# KiCad board redherring.kicad_pcb
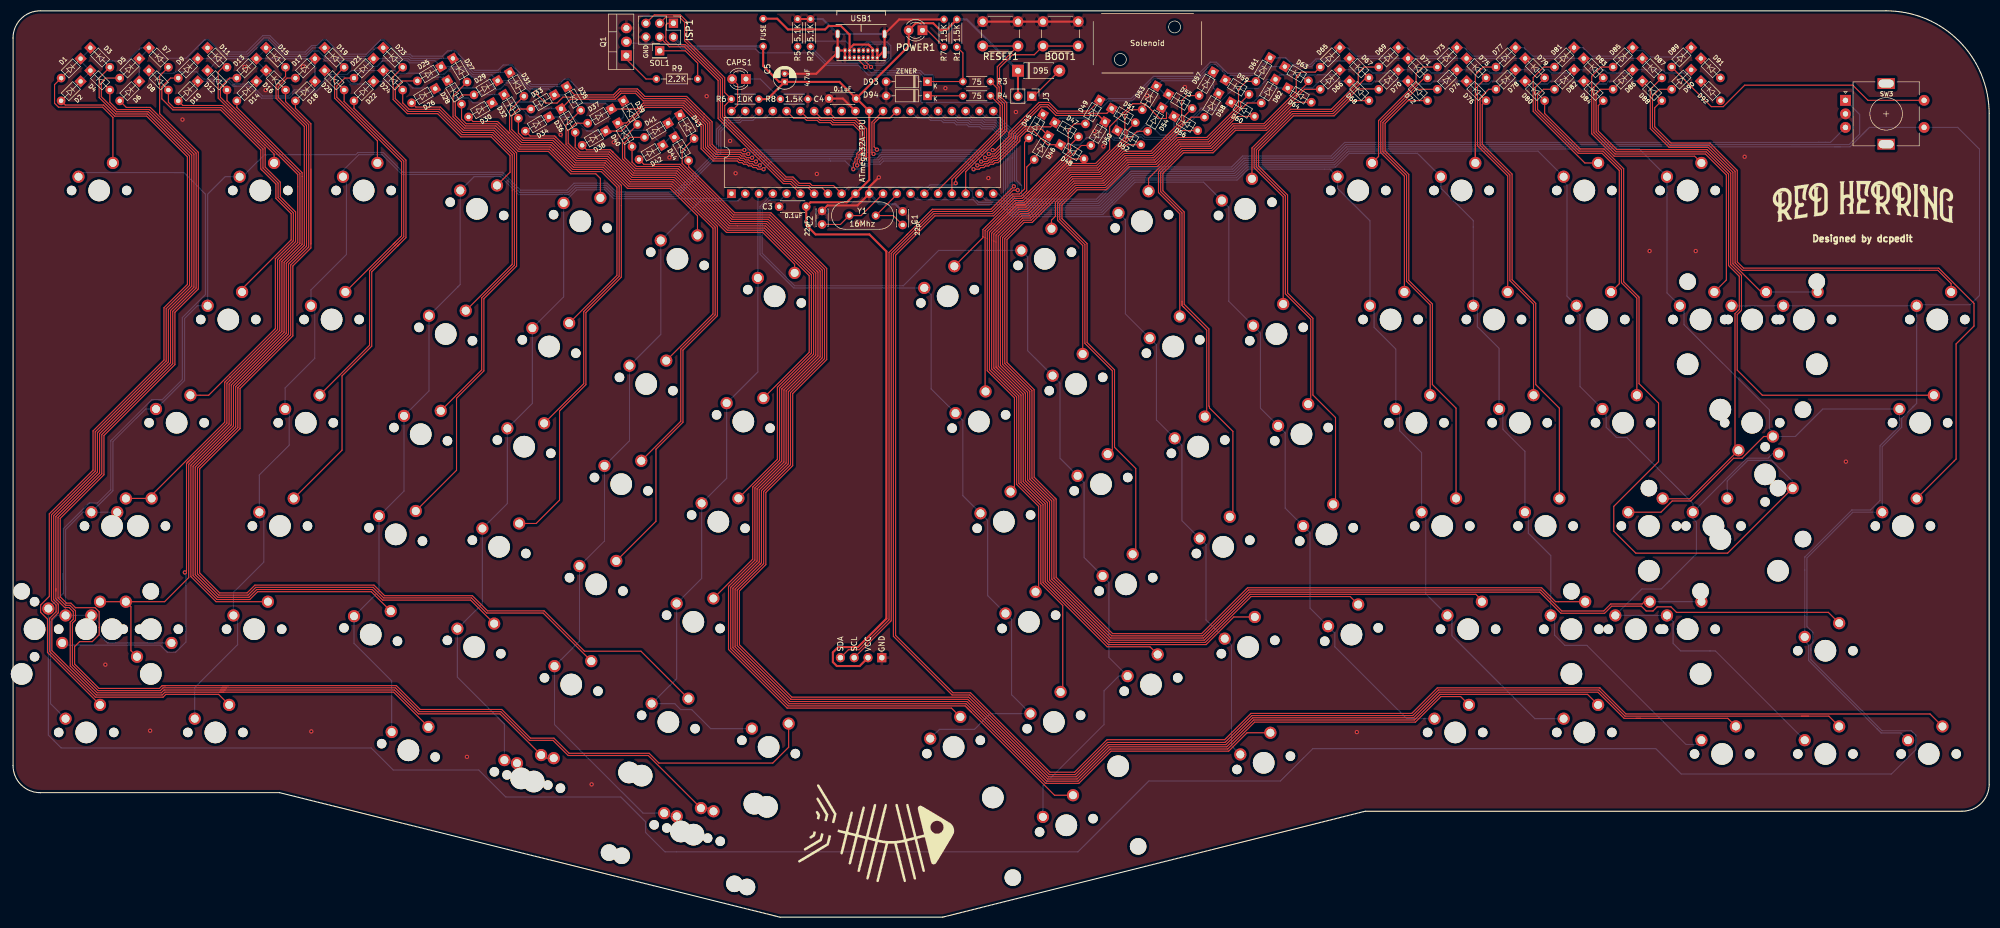
[diagram p0: board, top side]
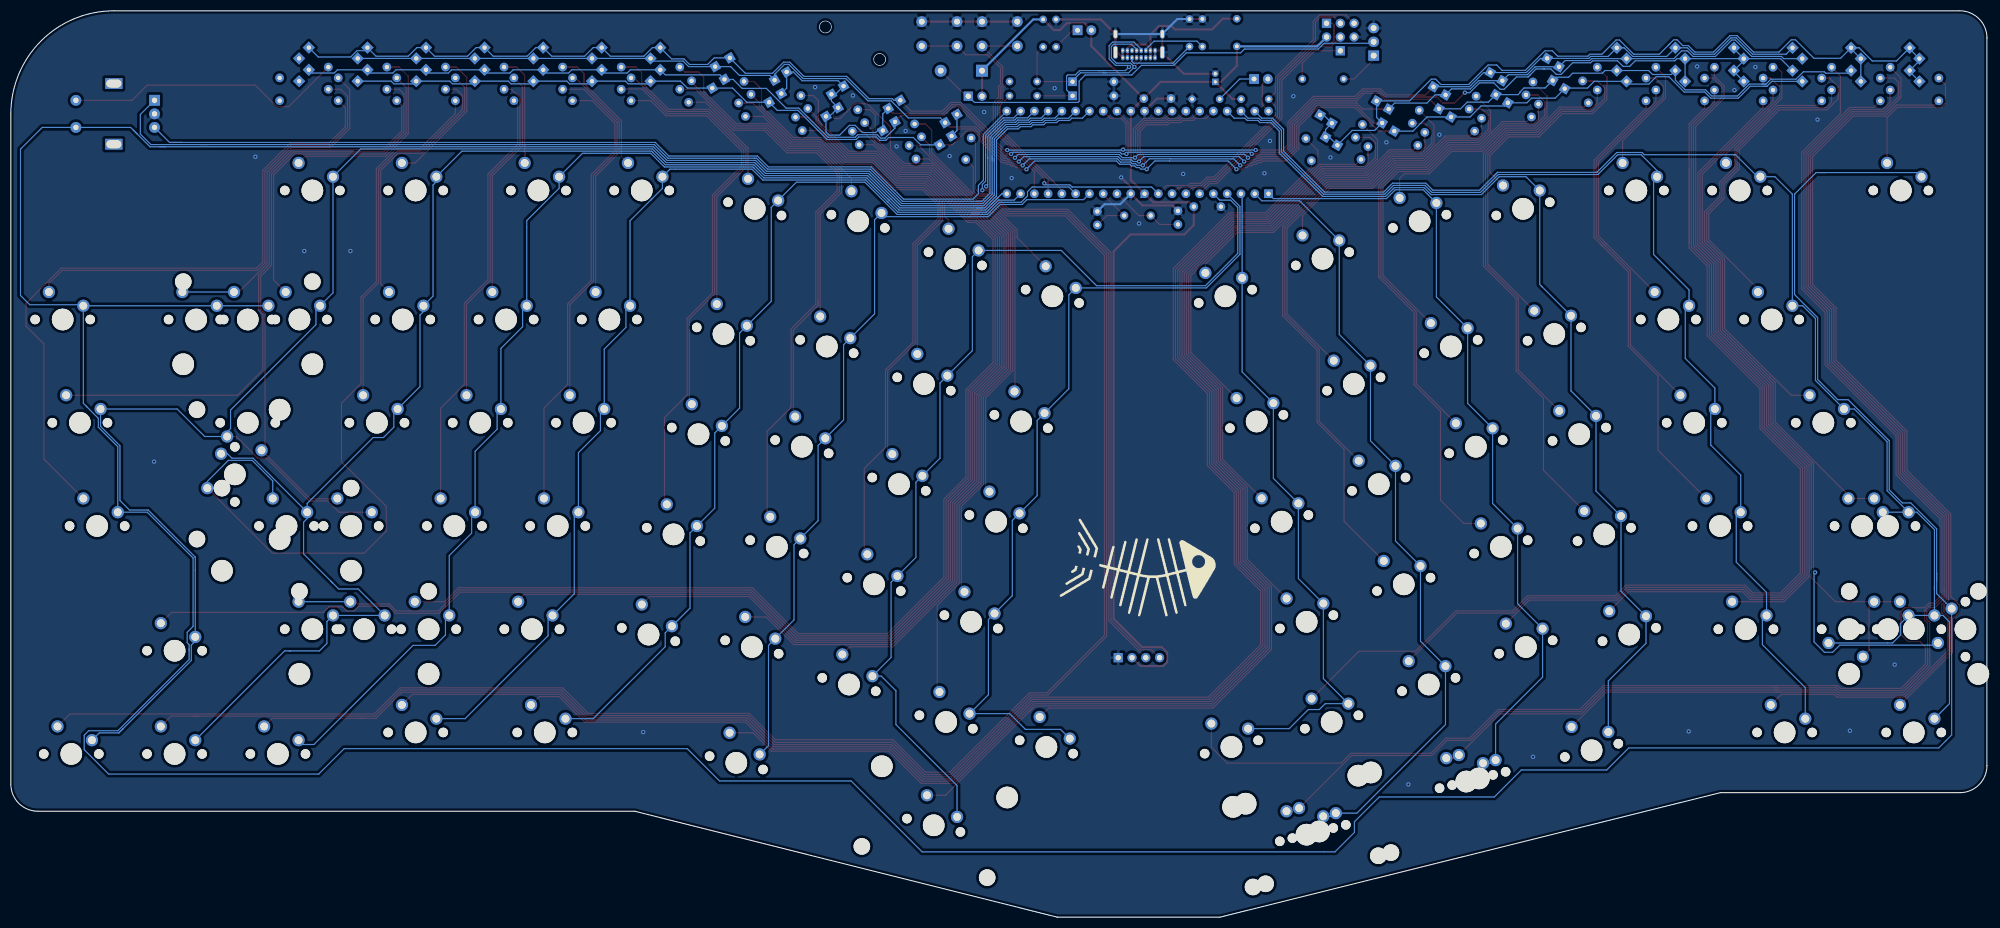
[diagram p1: board, bottom side, seen from below]

Outline 364.36 x 167.25 mm; copper layers: Top, Bottom. Coordinates in mm from the lower left corner of the outline.
Outline path: 0,162.25 0,27.98 arc(1.46,24.44) 5,22.98 49.15,22.98 141.4,0 171.4,0 249.3,19.55 359.36,19.55 arc(362.9,21.01) 364.36,24.55 364.36,148.25 arc(358.8,161.69) 345.36,167.25 5,167.25 arc(1.46,165.79) 0,162.25

## Placement (name value [footprint] x y rotation side)
BOOT1  SW_Push  [SW_PUSH_6mm]  189.9 165.25 0 top
C1  22pF  [C_Disc_D3.0mm_W2.0mm_P2.50mm]  164.03 130.23 270 top
C2  22pF  [C_Disc_D3.0mm_W2.0mm_P2.50mm]  149.17 130.33 270 top
C3  0.1uF  [C_Disc_D4.3mm_W1.9mm_P5.00mm]  146.25 131.12 180 top
C4  0.1uF  [C_Disc_D4.3mm_W1.9mm_P5.00mm]  155.46 151.06 180 top
C5  4.7uF  [CP_Radial_D4.0mm_P1.50mm]  142.28 154.14 90 top
CAPS1  LED  [LED_D3.0mm_Clear]  135.13 154.67 180 top
D1  D_Small  [D_DO-35_SOD27_P5.08mm_Horizontal]  13.35 159.33 225 top
D2  D_Small  [D_DO-35_SOD27_P5.08mm_Horizontal]  13.35 155.13 225 top
D3  D_Small  [D_DO-35_SOD27_P5.08mm_Horizontal]  13.35 161.33 315 top
D4  D_Small  [D_DO-35_SOD27_P5.08mm_Horizontal]  13.35 157.13 315 top
D5  D_Small  [D_DO-35_SOD27_P5.08mm_Horizontal]  24.15 159.33 225 top
D6  D_Small  [D_DO-35_SOD27_P5.08mm_Horizontal]  24.15 155.13 225 top
D7  D_Small  [D_DO-35_SOD27_P5.08mm_Horizontal]  24.15 161.33 315 top
D8  D_Small  [D_DO-35_SOD27_P5.08mm_Horizontal]  24.15 157.13 315 top
D9  D_Small  [D_DO-35_SOD27_P5.08mm_Horizontal]  34.95 159.33 225 top
D10  D_Small  [D_DO-35_SOD27_P5.08mm_Horizontal]  34.95 155.13 225 top
D11  D_Small  [D_DO-35_SOD27_P5.08mm_Horizontal]  34.95 161.33 315 top
D12  D_Small  [D_DO-35_SOD27_P5.08mm_Horizontal]  34.95 157.13 315 top
D13  D_Small  [D_DO-35_SOD27_P5.08mm_Horizontal]  45.75 159.33 225 top
D14  D_Small  [D_DO-35_SOD27_P5.08mm_Horizontal]  45.75 155.13 225 top
D15  D_Small  [D_DO-35_SOD27_P5.08mm_Horizontal]  45.75 161.33 315 top
D16  D_Small  [D_DO-35_SOD27_P5.08mm_Horizontal]  45.75 157.13 315 top
D17  D_Small  [D_DO-35_SOD27_P5.08mm_Horizontal]  56.55 159.33 225 top
D18  D_Small  [D_DO-35_SOD27_P5.08mm_Horizontal]  56.55 155.13 225 top
D19  D_Small  [D_DO-35_SOD27_P5.08mm_Horizontal]  56.55 161.33 315 top
D20  D_Small  [D_DO-35_SOD27_P5.08mm_Horizontal]  56.55 157.13 315 top
D21  D_Small  [D_DO-35_SOD27_P5.08mm_Horizontal]  67.35 159.33 225 top
D22  D_Small  [D_DO-35_SOD27_P5.08mm_Horizontal]  67.35 155.13 225 top
D23  D_Small  [D_DO-35_SOD27_P5.08mm_Horizontal]  67.35 161.33 315 top
D24  D_Small  [D_DO-35_SOD27_P5.08mm_Horizontal]  67.35 157.13 315 top
D25  D_Small  [D_DO-35_SOD27_P5.08mm_Horizontal]  79.99 157.58 211 top
D26  D_Small  [D_DO-35_SOD27_P5.08mm_Horizontal]  78.94 153.55 211 top
D27  D_Small  [D_DO-35_SOD27_P5.08mm_Horizontal]  80.44 159.56 301 top
D28  D_Small  [D_DO-35_SOD27_P5.08mm_Horizontal]  79.43 155.49 301 top
D29  D_Small  [D_DO-35_SOD27_P5.08mm_Horizontal]  90.44 155.01 211 top
D30  D_Small  [D_DO-35_SOD27_P5.08mm_Horizontal]  89.42 150.93 211 top
D31  D_Small  [D_DO-35_SOD27_P5.08mm_Horizontal]  90.92 156.95 301 top
D32  D_Small  [D_DO-35_SOD27_P5.08mm_Horizontal]  89.9 152.88 301 top
D33  D_Small  [D_DO-35_SOD27_P5.08mm_Horizontal]  100.92 152.4 211 top
D34  D_Small  [D_DO-35_SOD27_P5.08mm_Horizontal]  99.9 148.32 211 top
D35  D_Small  [D_DO-35_SOD27_P5.08mm_Horizontal]  101.4 154.34 301 top
D36  D_Small  [D_DO-35_SOD27_P5.08mm_Horizontal]  100.38 150.26 301 top
D37  D_Small  [D_DO-35_SOD27_P5.08mm_Horizontal]  111.39 149.78 211 top
D38  D_Small  [D_DO-35_SOD27_P5.08mm_Horizontal]  110.38 145.71 211 top
D39  D_Small  [D_DO-35_SOD27_P5.08mm_Horizontal]  111.88 151.73 301 top
D40  D_Small  [D_DO-35_SOD27_P5.08mm_Horizontal]  110.86 147.65 301 top
D41  D_Small  [D_DO-35_SOD27_P5.08mm_Horizontal]  121.87 147.17 211 top
D42  D_Small  [D_DO-35_SOD27_P5.08mm_Horizontal]  120.86 143.1 211 top
D43  D_Small  [D_DO-35_SOD27_P5.08mm_Horizontal]  122.31 149.12 301 top
D44  D_Small  [D_DO-35_SOD27_P5.08mm_Horizontal]  121.29 145.05 301 top
D45  D_Small  [D_DO-35_SOD27_P5.08mm_Horizontal]  190.57 149.23 239 top
D46  D_Small  [D_DO-35_SOD27_P5.08mm_Horizontal]  191.57 145.25 239 top
D47  D_Small  [D_DO-35_SOD27_P5.08mm_Horizontal]  191.01 147.28 329 top
D48  D_Small  [D_DO-35_SOD27_P5.08mm_Horizontal]  192.02 143.2 329 top
D49  D_Small  [D_DO-35_SOD27_P5.08mm_Horizontal]  201 151.83 239 top
D50  D_Small  [D_DO-35_SOD27_P5.08mm_Horizontal]  202 147.85 239 top
D51  D_Small  [D_DO-35_SOD27_P5.08mm_Horizontal]  201.49 149.89 329 top
D52  D_Small  [D_DO-35_SOD27_P5.08mm_Horizontal]  202.5 145.81 329 top
D53  D_Small  [D_DO-35_SOD27_P5.08mm_Horizontal]  211.48 154.44 239 top
D54  D_Small  [D_DO-35_SOD27_P5.08mm_Horizontal]  212.48 150.46 239 top
D55  D_Small  [D_DO-35_SOD27_P5.08mm_Horizontal]  211.97 152.5 329 top
D56  D_Small  [D_DO-35_SOD27_P5.08mm_Horizontal]  212.98 148.43 329 top
D57  D_Small  [D_DO-35_SOD27_P5.08mm_Horizontal]  221.96 157.06 239 top
D58  D_Small  [D_DO-35_SOD27_P5.08mm_Horizontal]  222.95 153.08 239 top
D59  D_Small  [D_DO-35_SOD27_P5.08mm_Horizontal]  222.45 155.11 329 top
D60  D_Small  [D_DO-35_SOD27_P5.08mm_Horizontal]  223.46 151.04 329 top
D61  D_Small  [D_DO-35_SOD27_P5.08mm_Horizontal]  232.44 159.67 239 top
D62  D_Small  [D_DO-35_SOD27_P5.08mm_Horizontal]  233.43 155.69 239 top
D63  D_Small  [D_DO-35_SOD27_P5.08mm_Horizontal]  233.4 157.61 329 top
D64  D_Small  [D_DO-35_SOD27_P5.08mm_Horizontal]  233.94 153.65 329 top
D65  D_Small  [D_DO-35_SOD27_P5.08mm_Horizontal]  245.51 161.37 225 top
D66  D_Small  [D_DO-35_SOD27_P5.08mm_Horizontal]  245.51 157.27 225 top
D67  D_Small  [D_DO-35_SOD27_P5.08mm_Horizontal]  245.51 159.37 315 top
D68  D_Small  [D_DO-35_SOD27_P5.08mm_Horizontal]  245.51 155.17 315 top
D69  D_Small  [D_DO-35_SOD27_P5.08mm_Horizontal]  256.31 161.37 225 top
D70  D_Small  [D_DO-35_SOD27_P5.08mm_Horizontal]  256.31 157.27 225 top
D71  D_Small  [D_DO-35_SOD27_P5.08mm_Horizontal]  256.31 159.37 315 top
D72  D_Small  [D_DO-35_SOD27_P5.08mm_Horizontal]  256.31 155.17 315 top
D73  D_Small  [D_DO-35_SOD27_P5.08mm_Horizontal]  267.11 161.37 225 top
D74  D_Small  [D_DO-35_SOD27_P5.08mm_Horizontal]  267.11 157.27 225 top
D75  D_Small  [D_DO-35_SOD27_P5.08mm_Horizontal]  267.11 159.37 315 top
D76  D_Small  [D_DO-35_SOD27_P5.08mm_Horizontal]  267.11 155.17 315 top
D77  D_Small  [D_DO-35_SOD27_P5.08mm_Horizontal]  277.91 161.37 225 top
D78  D_Small  [D_DO-35_SOD27_P5.08mm_Horizontal]  277.91 157.27 225 top
D79  D_Small  [D_DO-35_SOD27_P5.08mm_Horizontal]  277.91 159.37 315 top
D80  D_Small  [D_DO-35_SOD27_P5.08mm_Horizontal]  277.91 155.17 315 top
D81  D_Small  [D_DO-35_SOD27_P5.08mm_Horizontal]  288.71 161.37 225 top
D82  D_Small  [D_DO-35_SOD27_P5.08mm_Horizontal]  288.71 157.27 225 top
D83  D_Small  [D_DO-35_SOD27_P5.08mm_Horizontal]  288.71 159.37 315 top
D84  D_Small  [D_DO-35_SOD27_P5.08mm_Horizontal]  288.71 155.17 315 top
D85  D_Small  [D_DO-35_SOD27_P5.08mm_Horizontal]  299.51 161.37 225 top
D86  D_Small  [D_DO-35_SOD27_P5.08mm_Horizontal]  299.51 157.27 225 top
D87  D_Small  [D_DO-35_SOD27_P5.08mm_Horizontal]  299.51 159.37 315 top
D88  D_Small  [D_DO-35_SOD27_P5.08mm_Horizontal]  299.51 155.17 315 top
D89  D_Small  [D_DO-35_SOD27_P5.08mm_Horizontal]  310.31 161.37 225 top
D90  D_Small  [D_DO-35_SOD27_P5.08mm_Horizontal]  310.31 157.27 225 top
D91  D_Small  [D_DO-35_SOD27_P5.08mm_Horizontal]  310.31 159.37 315 top
D92  D_Small  [D_DO-35_SOD27_P5.08mm_Horizontal]  310.31 155.17 315 top
D93  3.6V  [D_DO-35_SOD27_P7.62mm_Horizontal]  168.6 154.17 180 top
D94  3.6V  [D_DO-35_SOD27_P7.62mm_Horizontal]  168.6 151.57 180 top
D95  1N4001  [D_DO-41_SOD81_P7.62mm_Horizontal]  185.29 156.2 0 top
F1  500mA  [polyfuse_5.1mm]  138.31 163.24 90 top
G***  LOGO  [text_border]  341 131.81 0 top
G***#2  LOGO  [logo]  159.13 15.48 0 top
G***#3  LOGO  [red_herring_text]  341.09 132.01 0 top
G***#4  LOGO  [logo]  156.59 64.5 180 bottom
ISP1  AVR-ISP-6  [PinHeader_2x03_P2.54mm_Vertical]  121.77 164.96 270 top
J2  OLED  [SSD1306_OLED]  156.37 65.64 90 top
J3  Conn_01x02_Female  [PinHeader_1x02_P2.54mm_Vertical]  187.83 151.5 270 top
MX101  MX-NoLED  [MXOnly-1U-NoLED]  45.59 134.1 0 top
MX102  MX-NoLED  [MXOnly-1U-NoLED]  64.64 134.1 0 top
MX103  MX-NoLED  [MXOnly-1U-NoLED]  85.54 130.71 346 top
MX104  MX-NoLED  [MXOnly-1U-NoLED]  104.6 128.41 346 top
MX105  MX-NoLED  [MXOnly-1U-NoLED]  122.51 121.49 346 top
MX106  MX-NoLED  [MXOnly-1U-NoLED]  140.42 114.57 346 top
MX107  MX-NoLED  [MXOnly-1U-NoLED]  172.32 114.57 14 top
MX108  MX-NoLED  [MXOnly-1U-NoLED]  190.23 121.49 14 top
MX109  MX-NoLED  [MXOnly-1U-NoLED]  208.14 128.41 14 top
MX110  MX-NoLED  [MXOnly-1U-NoLED]  227.2 130.71 14 top
MX111  MX-NoLED  [MXOnly-1U-NoLED]  248.03 134.1 0 top
MX112  MX-NoLED  [MXOnly-1U-NoLED]  267.08 134.1 0 top
MX113  MX-NoLED  [MXOnly-1U-NoLED]  289.72 134.1 0 top
MX114  MX-NoLED  [MXOnly-1U-NoLED]  308.77 134.1 0 top
MX201  MX-NoLED  [MXOnly-1U-NoLED]  39.69 110.29 0 top
MX202  MX-NoLED  [MXOnly-1U-NoLED]  58.74 110.29 0 top
MX203  MX-NoLED  [MXOnly-1U-NoLED]  79.78 107.6 346 top
MX204  MX-NoLED  [MXOnly-1U-NoLED]  98.84 105.31 346 top
MX205  MX-NoLED  [MXOnly-1U-NoLED]  116.75 98.39 346 top
MX206  MX-NoLED  [MXOnly-1U-NoLED]  134.65 91.47 346 top
MX207  MX-NoLED  [MXOnly-1U-NoLED]  178.08 91.47 14 top
MX208  MX-NoLED  [MXOnly-1U-NoLED]  195.99 98.39 14 top
MX209  MX-NoLED  [MXOnly-1U-NoLED]  213.9 105.31 14 top
MX210  MX-NoLED  [MXOnly-1U-NoLED]  232.96 107.6 14 top
MX211  MX-NoLED  [MXOnly-1U-NoLED]  254 110.29 0 top
MX212  MX-NoLED  [MXOnly-1U-NoLED]  273.05 110.29 0 top
MX213  MX-NoLED  [MXOnly-1U-NoLED]  292.1 110.29 0 top
MX214  MX-NoLED  [MXOnly-1U-NoLED]  311.15 110.29 0 top
MX215  MX-NoLED  [MXOnly-1U-NoLED]  330.2 110.29 0 top
MX215.2  MX-NoLED  [MXOnly-2U-NoLED]  320.67 110.29 0 top
MX301  MX-NoLED  [MXOnly-1.5U-NoLED]  30.16 91.24 0 top
MX302  MX-NoLED  [MXOnly-1U-NoLED]  53.98 91.24 0 top
MX303  MX-NoLED  [MXOnly-1U-NoLED]  75.17 89.12 346 top
MX304  MX-NoLED  [MXOnly-1U-NoLED]  94.23 86.82 346 top
MX305  MX-NoLED  [MXOnly-1U-NoLED]  112.14 79.9 346 top
MX306  MX-NoLED  [MXOnly-1U-NoLED]  130.05 72.98 346 top
MX307  MX-NoLED  [MXOnly-1U-NoLED]  182.69 72.98 14 top
MX308  MX-NoLED  [MXOnly-1U-NoLED]  200.6 79.9 14 top
MX309  MX-NoLED  [MXOnly-1U-NoLED]  218.51 86.82 14 top
MX310  MX-NoLED  [MXOnly-1U-NoLED]  237.57 89.12 14 top
MX311  MX-NoLED  [MXOnly-1U-NoLED]  258.76 91.24 0 top
MX312  MX-NoLED  [MXOnly-1U-NoLED]  277.81 91.24 0 top
MX313  MX-NoLED  [MXOnly-1U-NoLED]  296.86 91.24 0 top
MX314  MX-NoLED  [MXOnly-1U-NoLED]  301.62 72.19 0 top
MX314.150  MX-NoLED  [MXOnly-1.5U-NoLED]  320.67 91.24 180 top
MX315  MX-NoLED  [MXOnly-1U-NoLED]  354.81 110.29 0 top
MX401  MX-NoLED  [MXOnly-1.75U-NoLED]  23.02 72.19 0 top
MX401.125  MX-NoLED  [MXOnly-1.25U-NoLED]  18.26 72.19 0 top
MX402  MX-NoLED  [MXOnly-1U-NoLED]  49.21 72.19 0 top
MX403  MX-NoLED  [MXOnly-1U-NoLED]  70.56 70.64 346 top
MX404  MX-NoLED  [MXOnly-1U-NoLED]  89.62 68.34 346 top
MX405  MX-NoLED  [MXOnly-1U-NoLED]  107.53 61.42 346 top
MX406  MX-NoLED  [MXOnly-1U-NoLED]  125.44 54.5 346 top
MX407  MX-NoLED  [MXOnly-1U-NoLED]  187.3 54.5 14 top
MX408  MX-NoLED  [MXOnly-1U-NoLED]  205.21 61.42 14 top
MX409  MX-NoLED  [MXOnly-1U-NoLED]  223.12 68.34 14 top
MX410  MX-NoLED  [MXOnly-1U-NoLED]  242.18 70.64 14 top
MX411  MX-NoLED  [MXOnly-1U-NoLED]  263.52 72.19 0 top
MX412  MX-NoLED  [MXOnly-1U-NoLED]  282.57 72.19 0 top
MX413  MX-NoLED  [MXOnly-ISO-ROTATED-ReversedStabilizers-NoLED]  323.06 81.71 0 top
MX413.225  MX-NoLED  [MXOnly-2.25U-NoLED]  313.53 72.19 0 top
MX414  MX-NoLED  [MXOnly-1U-NoLED]  351.63 91.24 0 top
MX415  MX-NoLED  [MXOnly-1U-NoLED]  348.46 72.19 0 top
MX501  MX-NoLED  [MXOnly-1U-NoLED]  25.4 53.14 180 top
MX501.175  MX-NoLED  [MXOnly-1.75U-NoLED]  18.26 53.14 0 top
MX501.225  MX-NoLED  [MXOnly-2.25U-NoLED]  13.49 53.14 0 top
MX502  MX-NoLED  [MXOnly-1U-NoLED]  44.45 53.14 0 top
MX503  MX-NoLED  [MXOnly-1U-NoLED]  65.95 52.15 346 top
MX504  MX-NoLED  [MXOnly-1U-NoLED]  85.01 49.85 346 top
MX505  MX-NoLED  [MXOnly-1U-NoLED]  102.92 42.93 346 top
MX506  MX-NoLED  [MXOnly-1U-NoLED]  120.83 36.02 346 top
MX507  MX-NoLED  [MXOnly-1U-NoLED]  191.91 36.02 14 top
MX508  MX-NoLED  [MXOnly-1U-NoLED]  209.82 42.93 14 top
MX509  MX-NoLED  [MXOnly-1U-NoLED]  227.72 49.85 14 top
MX510  MX-NoLED  [MXOnly-1U-NoLED]  246.79 52.15 14 top
MX511  MX-NoLED  [MXOnly-1U-NoLED]  268.29 53.14 0 top
MX512  MX-NoLED  [MXOnly-1U-NoLED]  287.34 53.14 0 top
MX513  MX-NoLED  [MXOnly-1.25U-NoLED]  308.77 53.14 0 top
MX513.225  MX-NoLED  [MXOnly-2.25U-NoLED]  299.24 53.14 0 top
MX514  MX-NoLED  [MXOnly-1U-NoLED]  334.17 49.17 0 top
MX515  1.25U  [MXOnly-1.25U-NoLED#2]  3.97 53.14 0 top
MX601  MX-NoLED  [MXOnly-1.25U-NoLED]  13.49 34.09 0 top
MX602  MX-NoLED  [MXOnly-1.25U-NoLED]  37.31 34.09 0 top
MX603  MX-NoLED  [MXOnly-1.25U-NoLED]  72.9 30.79 346 top
MX604  MX-NoLED  [MXOnly-1.25U-NoLED]  96 25.03 346 top
MX604.1  MX-NoLED  [MXOnly-1U-NoLED]  93.68 25.6 346 top
MX605  MX-NoLED  [MXOnly-2U-ReversedStabilizers-NoLED]  125.46 15.23 346 top
MX605.225  MX-NoLED  [MXOnly-2.25U-ReversedStabilizers-NoLED]  123.14 15.81 346 top
MX606  MX-NoLED  [MXOnly-1U-NoLED]  139.31 31.41 346 top
MX607  MX-NoLED  [MXOnly-1U-NoLED]  173.42 31.41 14 top
MX608  MX-NoLED  [MXOnly-2.75U-ReversedStabilizers-NoLED]  194.21 16.96 14 top
MX609  MX-NoLED  [MXOnly-1.25U-NoLED]  230.6 28.48 14 top
MX610  MX-NoLED  [MXOnly-1.25U-NoLED]  265.91 34.09 0 top
MX611  MX-NoLED  [MXOnly-1.25U-NoLED]  289.72 34.09 0 top
MX612  MX-NoLED  [MXOnly-1U-NoLED]  315.12 30.12 0 top
MX613  MX-NoLED  [MXOnly-1U-NoLED]  334.17 30.12 0 top
MX614  MX-NoLED  [MXOnly-1U-NoLED]  353.22 30.12 0 top
MX615  MX-NoLED  [MXOnly-1U-NoLED]  15.88 134.1 0 top
POWER1  LED  [LED_D3.0mm_Clear]  167.68 163.67 180 top
Q1  TIP120  [TO-220-3_Vertical]  113.09 158.99 90 top
R1  1.5K  [R_Axial_DIN0204_L3.6mm_D1.6mm_P5.08mm_Horizontal]  174.03 165.67 270 top
R2  5.1K  [R_Axial_DIN0204_L3.6mm_D1.6mm_P5.08mm_Horizontal]  147.04 165.74 270 top
R3  75  [R_Axial_DIN0204_L3.6mm_D1.6mm_P5.08mm_Horizontal]  180.22 154.21 180 top
R4  75  [R_Axial_DIN0204_L3.6mm_D1.6mm_P5.08mm_Horizontal]  180.22 151.57 180 top
R5  5.1K  [R_Axial_DIN0204_L3.6mm_D1.6mm_P5.08mm_Horizontal]  144.66 165.74 270 top
R6  10K  [R_Axial_DIN0204_L3.6mm_D1.6mm_P5.08mm_Horizontal]  137.52 150.97 180 top
R7  1.5K  [R_Axial_DIN0204_L3.6mm_D1.6mm_P5.08mm_Horizontal]  171.65 160.59 90 top
R8  1.5K  [R_Axial_DIN0204_L3.6mm_D1.6mm_P5.08mm_Horizontal]  141.48 150.97 0 top
R9  2.2K  [R_Axial_DIN0204_L3.6mm_D1.6mm_P7.62mm_Horizontal]  118.62 154.67 0 top
RESET1  SW_Push  [SW_PUSH_6mm]  178.79 165.25 0 top
SOL1  SOL  [PinHeader_1x01_P2.54mm_Vertical]  119.23 159.88 0 top
Solenoid  -  [solenoid]  209.17 161.28 0 top
SW3  Rotary_Encoder_Switch  [RotaryEncoder_Alps_EC11E-Switch_Vertical_H20mm]  337.87 150.74 0 top
U1  ATmega32A-PU  [DIP-40_W15.24mm]  132.47 133.5 90 top
USB1  USB_C_GCT_USB4085-Type-C  [USB_C_GCT_USB4085]  156.37 164.71 180 top
Y1  16Mhz  [Crystal_HC49-4H_Vertical]  159.08 129.47 180 top

## Library data of the parts
D95 = -: Field4: K

## Footprints (pads in the part's own frame, mm; a bottom-side part is the same pattern mirrored in y, then rotated)
C_Disc_D3.0mm_W2.0mm_P2.50mm
  round 1.6 hole 0.8: 1(0,0) 2(2.5,0)
C_Disc_D4.3mm_W1.9mm_P5.00mm
  round 1.6 hole 0.8: 1(0,0) 2(5,0)
CP_Radial_D4.0mm_P1.50mm
  rect 1.2x1.2 hole 0.6: 1(0,0)
  round 1.2 hole 0.6: 2(1.5,0)
Crystal_HC49-4H_Vertical
  round 1.5 hole 0.8: 1(0,0) 2(4.88,0)
D_DO-35_SOD27_P5.08mm_Horizontal
  rect 1.6x1.6 hole 0.8: 1(1.27,0)
  oval 1.6x1.6 hole 0.8: 2(6.35,0)
D_DO-35_SOD27_P7.62mm_Horizontal
  rect 1.6x1.6 hole 0.8: 1(0,0)
  oval 1.6x1.6 hole 0.8: 2(7.62,0)
D_DO-41_SOD81_P7.62mm_Horizontal
  rect 2.2x2.2 hole 1.1: 1(0,0)
  oval 2.2x2.2 hole 1.1: 2(7.62,0)
DIP-40_W15.24mm
  rect 1.6x1.6 hole 0.8: 1(0,0)
  oval 1.6x1.6 hole 0.8: 2(0,-2.54) 3(0,-5.08) 4(0,-7.62) 5(0,-10.16) 6(0,-12.7) 7(0,-15.24) 8(0,-17.78) 9(0,-20.32) 10(0,-22.86) 11(0,-25.4) 12(0,-27.94) 13(0,-30.48) 14(0,-33.02) 15(0,-35.56) 16(0,-38.1) 17(0,-40.64) 18(0,-43.18) 19(0,-45.72) 20(0,-48.26) 21(15.24,-48.26) 22(15.24,-45.72) 23(15.24,-43.18) 24(15.24,-40.64) 25(15.24,-38.1) 26(15.24,-35.56) 27(15.24,-33.02) 28(15.24,-30.48) 29(15.24,-27.94) 30(15.24,-25.4) 31(15.24,-22.86) 32(15.24,-20.32) 33(15.24,-17.78) 34(15.24,-15.24) 35(15.24,-12.7) 36(15.24,-10.16) 37(15.24,-7.62) 38(15.24,-5.08) 39(15.24,-2.54) 40(15.24,0)
LED_D3.0mm_Clear
  rect 1.8x1.8 hole 0.9: 1(0,0)
  round 1.8 hole 0.9: 2(2.54,0)
MXOnly-1.5U-NoLED
  round 1.75 hole 1.75 unplated: (-5.08,0) (5.08,0)
  round 3.988 hole 3.988 unplated: (0,0)
  round 2.25 hole 1.47: 1(-3.81,2.54) 2(2.54,5.08)
MXOnly-1.25U-NoLED
  round 1.75 hole 1.75 unplated: (-5.08,0) (5.08,0)
  round 3.988 hole 3.988 unplated: (0,0)
  round 2.25 hole 1.47: 1(-3.81,2.54) 2(2.54,5.08)
MXOnly-1.25U-NoLED#2
  round 1.75 hole 1.75 unplated: (0,5.08) (0,-5.08)
  round 3.988 hole 3.988 unplated: (0,0)
  round 2.25 hole 1.47: 1(2.54,3.81) 2(5.08,-2.54)
MXOnly-1.75U-NoLED
  round 1.75 hole 1.75 unplated: (-5.08,0) (5.08,0)
  round 3.988 hole 3.988 unplated: (0,0)
  round 2.25 hole 1.47: 1(-3.81,2.54) 2(2.54,5.08)
MXOnly-1U-NoLED
  round 1.75 hole 1.75 unplated: (-5.08,0) (5.08,0)
  round 3.988 hole 3.988 unplated: (0,0)
  round 2.25 hole 1.47: 1(-3.81,2.54) 2(2.54,5.08)
MXOnly-2.25U-NoLED
  round 3.048 hole 3.048 unplated: (-11.906,6.985) (11.906,6.985)
  round 3.988 hole 3.988 unplated: (-11.906,-8.255) (0,0) (11.906,-8.255)
  round 1.75 hole 1.75 unplated: (-5.08,0) (5.08,0)
  round 2.25 hole 1.47: 1(-3.81,2.54) 2(2.54,5.08)
MXOnly-2.25U-ReversedStabilizers-NoLED
  round 3.988 hole 3.988 unplated: (-11.906,8.255) (0,0) (11.906,8.255)
  round 3.048 hole 3.048 unplated: (-11.906,-6.985) (11.906,-6.985)
  round 1.75 hole 1.75 unplated: (-5.08,0) (5.08,0)
  round 2.25 hole 1.47: 1(-3.81,2.54) 2(2.54,5.08)
MXOnly-2.75U-ReversedStabilizers-NoLED
  round 3.988 hole 3.988 unplated: (-11.906,8.255) (0,0) (11.906,8.255)
  round 3.048 hole 3.048 unplated: (-11.906,-6.985) (11.906,-6.985)
  round 1.75 hole 1.75 unplated: (-5.08,0) (5.08,0)
  round 2.25 hole 1.47: 1(-3.81,2.54) 2(2.54,5.08)
MXOnly-2U-NoLED
  round 3.048 hole 3.048 unplated: (-11.906,6.985) (11.906,6.985)
  round 3.988 hole 3.988 unplated: (-11.906,-8.255) (0,0) (11.906,-8.255)
  round 1.75 hole 1.75 unplated: (-5.08,0) (5.08,0)
  round 2.25 hole 1.47: 1(-3.81,2.54) 2(2.54,5.08)
MXOnly-2U-ReversedStabilizers-NoLED
  round 3.988 hole 3.988 unplated: (-11.906,8.255) (0,0) (11.906,8.255)
  round 3.048 hole 3.048 unplated: (-11.906,-6.985) (11.906,-6.985)
  round 1.75 hole 1.75 unplated: (-5.08,0) (5.08,0)
  round 2.25 hole 1.47: 1(-3.81,2.54) 2(2.54,5.08)
MXOnly-ISO-ROTATED-ReversedStabilizers-NoLED
  round 3.988 hole 3.988 unplated: (-8.255,11.938) (-8.255,-11.938) (0,0)
  round 1.75 hole 1.75 unplated: (0,5.08) (0,-5.08)
  round 3.048 hole 3.048 unplated: (6.985,11.938) (6.985,-11.938)
  round 2.25 hole 1.47: 1(2.54,3.81) 2(5.08,-2.54)
PinHeader_1x01_P2.54mm_Vertical
  rect 1.7x1.7 hole 1: 1(0,0)
PinHeader_1x02_P2.54mm_Vertical
  rect 1.7x1.7 hole 1: 1(0,0)
  oval 1.7x1.7 hole 1: 2(0,-2.54)
PinHeader_2x03_P2.54mm_Vertical
  rect 1.7x1.7 hole 1: 1(0,0)
  oval 1.7x1.7 hole 1: 2(2.54,0) 3(0,-2.54) 4(2.54,-2.54) 5(0,-5.08) 6(2.54,-5.08)
polyfuse_5.1mm
  round 1.4 hole 0.7: 1(-2.55,0) 2(2.55,0)
R_Axial_DIN0204_L3.6mm_D1.6mm_P5.08mm_Horizontal
  round 1.4 hole 0.7: 1(0,0)
  oval 1.4x1.4 hole 0.7: 2(5.08,0)
R_Axial_DIN0204_L3.6mm_D1.6mm_P7.62mm_Horizontal
  round 1.4 hole 0.7: 1(0,0)
  oval 1.4x1.4 hole 0.7: 2(7.62,0)
RotaryEncoder_Alps_EC11E-Switch_Vertical_H20mm
  rect 2x2 hole 1: A(0,0)
  round 2 hole 1: B(0,-5) C(0,-2.5) S1(14.5,-5) S2(14.5,0)
  rect 3.2x2 hole 2.8x1.5: MP(7.5,3.1) MP(7.5,-8.1)
SSD1306_OLED
  rect 1.7x1.7 hole 1: 1(-17.755,-3.81)
  oval 1.7x1.7 hole 1: 2(-17.755,-1.27) 3(-17.755,1.27) 4(-17.755,3.81)
SW_PUSH_6mm
  round 2 hole 1.1: 1(0,0) 1(6.5,0) 2(0,-4.5) 2(6.5,-4.5)
TO-220-3_Vertical
  rect 1.905x2 hole 1.1: 1(0,0)
  oval 1.905x2 hole 1.1: 2(2.54,0) 3(5.08,0)
USB_C_GCT_USB4085
  oval 0.65x1 hole 0.4: A1(-2.975,6.1) A4(-2.125,6.1) A5(-1.275,6.1) A6(-0.425,6.1) A7(0.425,6.1) A8(1.275,6.1) A9(2.125,6.1) A12(2.975,6.1) B1(2.98,4.775) B4(2.13,4.775) B5(1.28,4.775) B6(0.43,4.775) B7(-0.42,4.775) B8(-1.27,4.775) B9(-2.12,4.775) B12(-2.975,4.775)
  oval 0.9x2.4 hole 0.6x2.1: S1(-4.325,5.12) S1(4.325,5.12)
  oval 0.9x1.7 hole 0.6x1.4: S1(-4.325,1.74) S1(4.325,1.74)
